# Altium PCB Dashcam BB V2.0 A.PcbDoc (part 1 of 2) (continued)
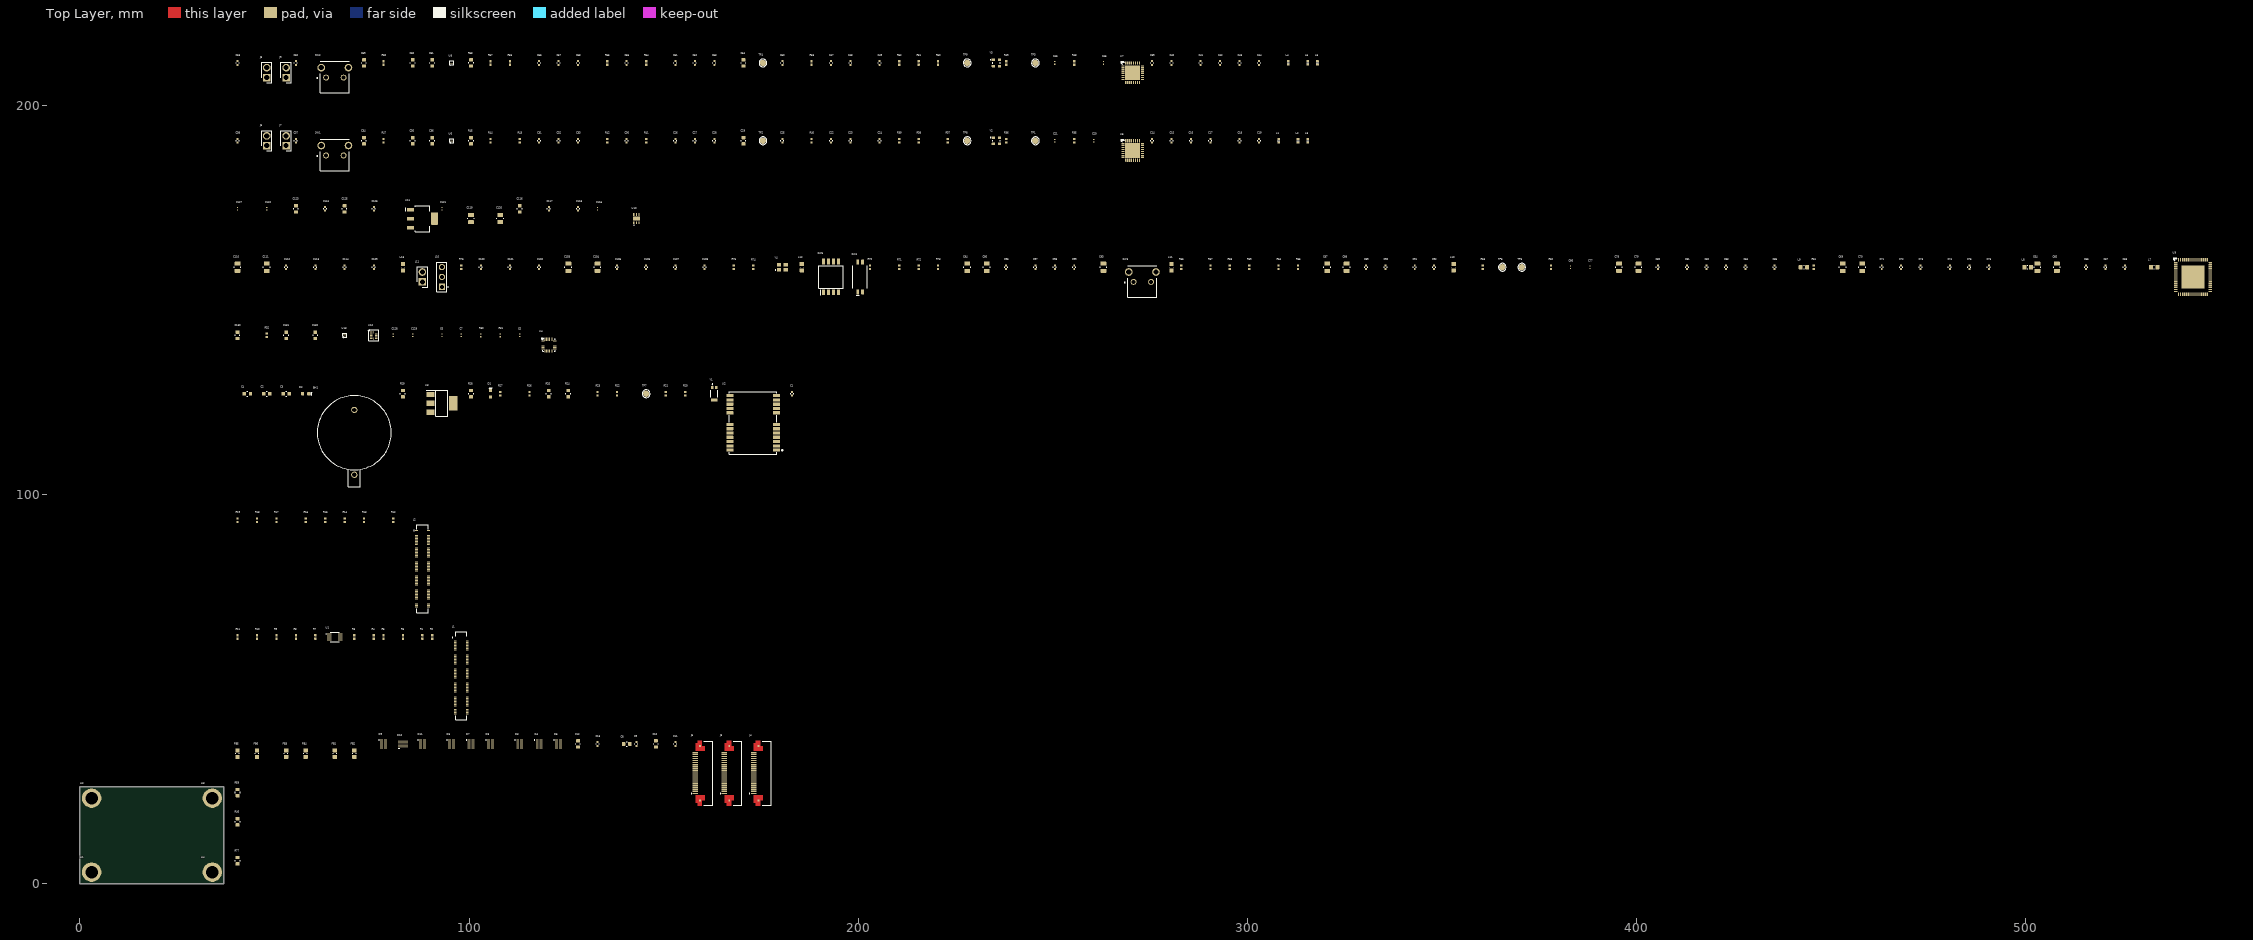
[diagram p0: Top Layer view]
## Components (designator, comment, footprint, x,y, rotation, side; value= is the part's Value field where it differs from the comment) (continued)
C81 "GRM155R71H104KE14D" CAP_0402_CAPC1005X05N 413,158.45 r90 top
C82 "GRM155R71H103KA88D" CAP_0402_CAPC1005X05N 418,158.45 r90 top
C83 "GRM155R71H103KA88D" CAP_0402_CAPC1005X05N 423,158.45 r90 top
C84 "GRM155R71H103KA88D" CAP_0402_CAPC1005X05N 428,158.45 r90 top
C85 "GRM155R71H103KA88D" CAP_0402_CAPC1005X05N 435.5,158.45 r90 top
C86 "GRM033R60J333KE01D" CAP_0201_CAPC0603X03N 383,158.45 r90 top
C87 "CL21A106KAYNNNE" CAP_0805_CAPC2012X12N 320.5,158.45 r90 top
C88 "CL21A106KAYNNNE" CAP_0805_CAPC2012X12N 325.5,158.45 r90 top
C89 "C1005JB1V105K050BC" CAP_0402_CAPC1005X05N 330.5,158.45 r90 top
C90 "GRM155R71H104KE14D" CAP_0402_CAPC1005X05N 335.5,158.45 r90 top
C91 "GRM155R71H103KA88D" CAP_0402_CAPC1005X05N 343,158.45 r90 top
C92 "GRM155R71H103KA88D" CAP_0402_CAPC1005X05N 348,158.45 r90 top
C93 "CL21A106KAYNNNE" CAP_0805_CAPC2012X12N 263,158.45 r90 top
C94 "CL21A106KAYNNNE" CAP_0805_CAPC2012X12N 228,158.45 r90 top
C95 "CL21A106KAYNNNE" CAP_0805_CAPC2012X12N 233,158.45 r90 top
C96 "C1005JB1V105K050BC" CAP_0402_CAPC1005X05N 238,158.45 r90 top
C97 "GRM155R71H104KE14D" CAP_0402_CAPC1005X05N 245.5,158.45 r90 top
C98 "GRM155R71H103KA88D" CAP_0402_CAPC1005X05N 250.5,158.45 r90 top
C99 "GRM155R71H103KA88D" CAP_0402_CAPC1005X05N 255.5,158.45 r90 top
C100 "GRM155R71H104KE14D" CAP_0402_CAPC1005X05N 103,158.45 r90 top
C101 "GRM155R71H103KA88D" CAP_0402_CAPC1005X05N 110.5,158.45 r90 top
C102 "GRM155R71H104KE14D" CAP_0402_CAPC1005X05N 118,158.45 r90 top
C103 "CL21A106KAYNNNE" CAP_0805_CAPC2012X12N 125.5,158.45 r90 top
C104 "CL21A106KAYNNNE" CAP_0805_CAPC2012X12N 133,158.45 r90 top
C105 "C1005JB1V105K050BC" CAP_0402_CAPC1005X05N 138,158.45 r90 top
C106 "GRM155R71H104KE14D" CAP_0402_CAPC1005X05N 145.5,158.45 r90 top
C107 "GRM155R71H103KA88D" CAP_0402_CAPC1005X05N 153,158.45 r90 top
C108 "GRM155R71H103KA88D" CAP_0402_CAPC1005X05N 160.5,158.45 r90 top
C109 "GRM155R71H104KE14D" CAP_0402_CAPC1005X05N 75.5,158.45 r90 top
C110 "CL21A106KAYNNNE" CAP_0805_CAPC2012X12N 40.5,158.45 r90 top
C111 "CL21A106KAYNNNE" CAP_0805_CAPC2012X12N 48,158.45 r90 top
C112 "C1005JB1V105K050BC" CAP_0402_CAPC1005X05N 53,158.45 r90 top
C113 "GRM155R71H104KE14D" CAP_0402_CAPC1005X05N 60.5,158.45 r90 top
C114 "GRM155R71H103KA88D" CAP_0402_CAPC1005X05N 68,158.45 r90 top
C115 "GRM033R60J333KE01D" CAP_0201_CAPC0603X03N 133,173.45 r90 top
C116 "CL10A226MO7JZNC" CAP_0603_CAPC1608X08N 113,173.45 r90 top
C117 "GRM155R71H104KE14D" CAP_0402_CAPC1005X05N 120.5,173.45 r90 top
C118 "GRM155R71H104KE14D" CAP_0402_CAPC1005X05N 128,173.45 r90 top
C119 "C2012X5R1A476M125AC" CAP_0805_CAPC2012X12N 100.5,170.95 r90 top
C120 "C2012X5R1A476M125AC" CAP_0805_CAPC2012X12N 108,170.95 r90 top
C121 "GRM033R60J153KE01D" CAP_0201_CAPC0603X03N 93,173.45 r90 top
C122 "GRM033R60J333KE01D" CAP_0201_CAPC0603X03N 48,173.45 r90 top
C123 "CL10A226MO7JZNC" CAP_0603_CAPC1608X08N 55.5,173.45 r90 top
C124 "GRM155R71H104KE14D" CAP_0402_CAPC1005X05N 63,173.45 r90 top
C125 "CL10A226MO7JZNC" CAP_0603_CAPC1608X08N 68,173.45 r90 top
C126 "GRM155R71H104KE14D" CAP_0402_CAPC1005X05N 75.5,173.45 r90 top
C127 "GRM033R60J153KE01D" CAP_0201_CAPC0603X03N 40.5,173.45 r90 top
C128 "02016D105MAT2A" CAP_0201_CAPC0603X03N 80.5,140.95 r90 top
C129 "02016D105MAT2A" CAP_0201_CAPC0603X03N 85.5,140.95 r90 top
C130 "CL10A105KO8NNNC" CAP_0603_CAPC1608X08N 40.5,140.95 r90 top
C131 "CL10A105KO8NNNC" CAP_0603_CAPC1608X08N 53,140.95 r90 top
C132 "GRM188R61C106MAALD" CAP_0603_CAPC1608X08N 60.5,140.95 r90 top
D1 "ASCKCB00-NS3T4010302" LED_0603-BLUE-0.75mm 105.5,125.95 r90 top
D2 "LTST-C190KRKT" LED_0603-RED-0.75mm 58,125.95 r0 top
D3 "IP4292CZ10-TBR,115" DIO_TVS_SON50P100X250X50-10N 113,35.95 r0 top
D4 "IP4292CZ10-TBR,115" DIO_TVS_SON50P100X250X50-10N 118,35.95 r0 top
D5 "IP4292CZ10-TBR,115" DIO_TVS_SON50P100X250X50-10N 123,35.95 r0 top
D6 "IP4292CZ10-TBR,115" DIO_TVS_SON50P100X250X50-10N 95.5,35.95 r0 top
D7 "IP4292CZ10-TBR,115" DIO_TVS_SON50P100X250X50-10N 100.5,35.95 r0 top
D8 "IP4292CZ10-TBR,115" DIO_TVS_SON50P100X250X50-10N 105.5,35.95 r0 top
D9 "IP4292CZ10-TBR,115" DIO_TVS_SON50P100X250X50-10N 78,35.95 r0 top
D10 "IP4292CZ10-TBR,115" DIO_TVS_SON50P100X250X50-10N 83,35.95 r90 top
D11 "IP4292CZ10-TBR,115" DIO_TVS_SON50P100X250X50-10N 88,35.95 r0 top
FB1 "BLM18AG102SN1D" IND_0603_INDC1608X08N 65.5,33.45 r90 top
FB2 "BLM18AG102SN1D" IND_0603_INDC1608X08N 70.5,33.45 r90 top
FB3 "BLM18AG102SN1D" IND_0603_INDC1608X08N 53,33.45 r90 top
FB4 "BLM18AG102SN1D" IND_0603_INDC1608X08N 58,33.45 r90 top
FB5 "BLM18AG102SN1D" IND_0603_INDC1608X08N 40.5,33.45 r90 top
FB6 "BLM18AG102SN1D" IND_0603_INDC1608X08N 45.5,33.45 r90 top
H1 "Mounting Hole" PTH_3.2X5 3,3 r0 top
H2 "Mounting Hole" PTH_3.2X5 3,22 r0 top
H3 "Mounting Hole" PTH_3.2X5 34,22 r0 top
H4 "Mounting Hole" PTH_3.2X5 34,3 r0 top
J1 "DF40C-100DS-0.4V(51)" CONN_B2B_HIROSE_DF40C-100DS-0.4V(51) 98,53.45 r90 top
J2 "DF40C-100DS-0.4V(51)" CONN_B2B_HIROSE_DF40C-100DS-0.4V(51) 88,80.95 r90 top
J3 "SFV22R-2STBE1HLF" CONN_FPC_AMPHENOL_SFV22R-2STBE1HLF 168,28.45 r90 top
J4 "SFV22R-2STBE1HLF" CONN_FPC_AMPHENOL_SFV22R-2STBE1HLF 175.5,28.45 r90 top
J5 "SFV22R-2STBE1HLF" CONN_FPC_AMPHENOL_SFV22R-2STBE1HLF 160.5,28.45 r90 top
J6 "61300211121" HEADER_MALE_HDRV2W110P0X254_1X2_508X254X854P 48,190.95 r90 top
J7 "61300211121" HEADER_MALE_HDRV2W110P0X254_1X2_508X254X854P 53,190.95 r90 top
J8 "61300211121" HEADER_MALE_HDRV2W110P0X254_1X2_508X254X854P 48,208.45 r90 top
J9 "61300211121" HEADER_MALE_HDRV2W110P0X254_1X2_508X254X854P 53,208.45 r90 top
J10 "TSW-103-07-G-S" CONN_HEADER_MALE_SAMTEC_TSW-103-07-G-S 93,155.95 r90 top
J11 "61300211121" HEADER_MALE_HDRV2W110P0X254_1X2_508X254X854P 88,155.95 r90 top
L1 "*BLM15AX102SN1D" IND_0402 308,190.95 r90 top
L2 "*BLM15AX102SN1D" IND_0402 313,190.95 r90 top
L3 "*BLM15AX102SN1D" IND_0402 315.5,190.95 r90 top
L4 "*BLM15AX102SN1D" IND_0402 310.5,210.95 r90 top
L5 "*BLM15AX102SN1D" IND_0402 315.5,210.95 r90 top
L6 "*BLM15AX102SN1D" IND_0402 318,210.95 r90 top
L7 "BLM18PG121SH1D" IND_0603_INDC1608X08N 533,158.45 r0 top
L8 "BLM18PG121SH1D" IND_0603_INDC1608X08N 500.5,158.45 r0 top
L9 "BLM18PG121SH1D" IND_0603_INDC1608X08N 443,158.45 r0 top
L10 "BLM18PG121SH1D" IND_0603_INDC1608X08N 353,158.45 r90 top
L11 "BLM18PG121SH1D" IND_0603_INDC1608X08N 280.5,158.45 r90 top
L12 "BLM18PG121SH1D" IND_0603_INDC1608X08N 185.5,158.45 r90 top
L13 "BLM18PG121SH1D" IND_0603_INDC1608X08N 83,158.45 r90 top
R1 "ERJ-2GEJ103X" RES_0402_RESC1005X04N 88,63.45 r90 top
R2 "ERJ-2GE0R00X" RES_0402_RESC1005X04N 90.5,63.45 r90 top
R3 "ERJ-2RKF4701X" RES_0402_RESC1005X04N 70.5,63.45 r90 top
R4 "ERJ-2RKF4701X" RES_0402_RESC1005X04N 75.5,63.45 r90 top
R5 "CRCW04021K21FKED" RES_0402_RESC1005X04N 78,63.45 r90 top
R6 "CRCW04021K21FKED" RES_0402_RESC1005X04N 83,63.45 r90 top
R7 "ERJ-2GE0R00X" RES_0402_RESC1005X04N 60.5,63.45 r90 top
R8 "ERJ-2GE0R00X" RES_0402_RESC1005X04N 55.5,63.45 r90 top
R9 "ERJ-2GE0R00X" RES_0402_RESC1005X04N 50.5,63.45 r90 top
R10 "ERJ-2GE0R00X" RES_0402_RESC1005X04N 45.5,63.45 r90 top
R11 "ERJ-2GE0R00X" RES_0402_RESC1005X04N 40.5,63.45 r90 top
R12 "ERJ-2GE0R00X" RES_0402_RESC1005X04N 80.5,93.45 r90 top
R13 "ERJ-2GE0R00X" RES_0402_RESC1005X04N 73,93.45 r90 top
R14 "ERJ-2GE0R00X" RES_0402_RESC1005X04N 68,93.45 r90 top
R15 "ERJ-2GE0R00X" RES_0402_RESC1005X04N 58,93.45 r90 top
R16 "ERJ-2GE0R00X" RES_0402_RESC1005X04N 63,93.45 r90 top
R17 "ERJ-2GE0R00X" RES_0402_RESC1005X04N 50.5,93.45 r90 top
R18 "ERJ-2GE0R00X" RES_0402_RESC1005X04N 45.5,93.45 r90 top
R19 "ERJ-2GE0R00X" RES_0402_RESC1005X04N 40.5,93.45 r90 top
R20 "RC0402FR-0733RL" RES_0402_RESC1005X04N 155.5,125.95 r90 top
R21 "RC0402FR-0733RL" RES_0402_RESC1005X04N 150.5,125.95 r90 top
R22 "RC0402FR-0733RL" RES_0402_RESC1005X04N 138,125.95 r90 top
R23 "RC0402FR-0733RL" RES_0402_RESC1005X04N 133,125.95 r90 top
R24 "RC0603JR-0727RL" RES_0603_RESC1608X04N 125.5,125.95 r90 top
R25 "RC0603JR-0727RL" RES_0603_RESC1608X04N 120.5,125.95 r90 top
R26 "RC0402FR-07100KL" RES_0402_RESC1005X04N 115.5,125.95 r90 top
R27 "ERJ-2RKF1001X" RES_0402_RESC1005X04N 108,125.95 r90 top
R28 "AC0603FR-101KL" RES_0603_RESC1608X04N 100.5,125.95 r90 top
R29 "AC0603FR-101KL" RES_0603_RESC1608X04N 83,125.95 r90 top
R30 "RC0201FR-0710KL" RES_0201_RESC0603X02N 103,140.95 r90 top
R31 "RC0201FR-0710KL" RES_0201_RESC0603X02N 108,140.95 r90 top
R32 "ERJ-2GEJ103X" RES_0402_RESC1005X04N 48,140.95 r90 top
R35 "CR0402-FX-49R9GLF" RES_0402_RESC1005X04N 255.5,190.95 r90 top
R36 "ERJ-2GE0R00X" RES_0402_RESC1005X04N 238,190.95 r90 top
R37 "ERJ-2GE0R00X" RES_0402_RESC1005X04N 223,190.95 r90 top
R38 "ERJ-2GE0R00X" RES_0402_RESC1005X04N 215.5,190.95 r90 top
R39 "ERJ-2GEJ103X" RES_0402_RESC1005X04N 210.5,190.95 r90 top
R40 "ERJ-2GE0R00X" RES_0402_RESC1005X04N 188,190.95 r90 top
R41 "ERJ-2GE0R00X" RES_0402_RESC1005X04N 145.5,190.95 r90 top
R42 "ERJ-2GE0R00X" RES_0402_RESC1005X04N 135.5,190.95 r90 top
R43 "ERJ-2GEJ103X" RES_0402_RESC1005X04N 113,190.95 r90 top
R44 "ERJ-2GEJ103X" RES_0402_RESC1005X04N 105.5,190.95 r90 top
R45 "CRCW0603402RFKEA" RES_0603_RESC1608X04N 100.5,190.95 r90 top
R46 "RC0603FR-0740K2L" RES_0603_RESC1608X04N 40.5,15.95 r90 top
R47 "ERJ-2GEJ103X" RES_0402_RESC1005X04N 78,190.95 r90 top
R48 "CR0402-FX-49R9GLF" RES_0402_RESC1005X04N 255.5,210.95 r90 top
R49 "ERJ-2GE0R00X" RES_0402_RESC1005X04N 238,210.95 r90 top
R50 "ERJ-2GE0R00X" RES_0402_RESC1005X04N 220.5,210.95 r90 top
R51 "ERJ-2GE0R00X" RES_0402_RESC1005X04N 215.5,210.95 r90 top
R52 "ERJ-2GEJ103X" RES_0402_RESC1005X04N 210.5,210.95 r90 top
R53 "ERJ-2GE0R00X" RES_0402_RESC1005X04N 188,210.95 r90 top
R54 "ERJ-2GE0R00X" RES_0402_RESC1005X04N 145.5,210.95 r90 top
R55 "ERJ-2GE0R00X" RES_0402_RESC1005X04N 135.5,210.95 r90 top
R56 "ERJ-2GEJ103X" RES_0402_RESC1005X04N 110.5,210.95 r90 top
R57 "ERJ-2GEJ103X" RES_0402_RESC1005X04N 105.5,210.95 r90 top
R58 "CRCW0603402RFKEA" RES_0603_RESC1608X04N 100.5,210.95 r90 top
R59 "RC0603FR-0740K2L" RES_0603_RESC1608X04N 40.5,23.45 r90 top
R60 "ERJ-2GEJ103X" RES_0402_RESC1005X04N 78,210.95 r90 top
R61 "ERJ-2GE0R00X" RES_0402_RESC1005X04N 445.5,158.45 r90 top
R62 "ERJ-2RKF1000X" RES_0402_RESC1005X04N 378,158.45 r90 top
R63 "ERJ-2GE0R00X" RES_0402_RESC1005X04N 360.5,158.45 r90 top
R64 "ERJ-2GEJ103X" RES_0402_RESC1005X04N 308,158.45 r90 top
R65 "ERJ-2GEJ103X" RES_0402_RESC1005X04N 313,158.45 r90 top
R66 "CRCW040278K7FKED" RES_0402_RESC1005X04N 283,158.45 r90 top
R67 "CRCW040239K2FKED" RES_0402_RESC1005X04N 290.5,158.45 r90 top
R68 "CRCW040225K5FKED" RES_0402_RESC1005X04N 295.5,158.45 r90 top
R69 "ERJ-2GEJ103X" RES_0402_RESC1005X04N 300.5,158.45 r90 top
R70 "CRCW040297K6FKED" RES_0402_RESC1005X04N 203,158.45 r90 top
R71 "CRCW040278K7FKED" RES_0402_RESC1005X04N 210.5,158.45 r90 top
R72 "CRCW040295K3FKED" RES_0402_RESC1005X04N 215.5,158.45 r90 top
R73 "ERJ-2GE0R00X" RES_0402_RESC1005X04N 220.5,158.45 r90 top
R74 "ERJ-2GE0R00X" RES_0402_RESC1005X04N 173,158.45 r90 top
R75 "ERJ-2GEJ103X" RES_0402_RESC1005X04N 168,158.45 r90 top
R76 "ERJ-2GE0R00X" RES_0402_RESC1005X04N 98,158.45 r90 top
R77 "RC0603FR-0740K2L" RES_0603_RESC1608X04N 40.5,5.95 r90 top
SW1 "PTS645VH83-2LFS" SW_RA_PTS645VH832LFS 65.5,188.45 r0 top
SW2 "PTS645VH83-2LFS" SW_RA_PTS645VH832LFS 65.5,208.45 r0 top
SW3 "PTS645VH83-2LFS" SW_RA_PTS645VH832LFS 273,155.95 r0 top
SW4 "218-2LPSTR" SW_DIP_2P_2182LPSTR 200.5,155.95 r0 top
SW5 "218-4LPSTR" SW_DIP_SOIC127P844X265-8N 193,155.95 r90 top
TP1 "NO COMPONENT" TP_PAD_1.6MM_SMD_ROUND 245.5,190.95 r90 top
TP2 "NO COMPONENT" TP_PAD_1.6MM_SMD_ROUND 175.5,190.95 r90 top
TP3 "NO COMPONENT" TP_PAD_1.6MM_SMD_ROUND 245.5,210.95 r90 top
TP4 "NO COMPONENT" TP_PAD_1.6MM_SMD_ROUND 175.5,210.95 r90 top
TP5 "NO COMPONENT" TP_PAD_1.6MM_SMD_ROUND 365.5,158.45 r90 top
TP6 "NO COMPONENT" TP_PAD_1.6MM_SMD_ROUND 370.5,158.45 r90 top
TP7 "NO COMPONENT" TP_PAD_1.6MM_SMD_ROUND 145.5,125.95 r90 top
TP8 "NO COMPONENT" TP_PAD_1.6MM_SMD_ROUND 228,190.95 r90 top
TP9 "NO COMPONENT" TP_PAD_1.6MM_SMD_ROUND 228,210.95 r90 top
U1 "TCA9406DCUR" IC_LEVEL_TRASLATOR_SOP50P310X90-8N 65.5,63.45 r0 top
U2 "NEO-M9N-00B" IC_MODULE_UBLOX_NEOM9N00B 173,118.45 r0 top
U3 "AP2114H-3.3TRG1" IC_REG_SOT230P700X180-4N 93,123.45 r0 top
U4 "ICM-20948" IC_IMU_TDK_InvenSense_0_IPC_A 120.5,138.45 r0 top
U5 "DS90UB953ATRHBTQ1" IC_SERIALIZER_QFN50P500X500X100-33N-D 270.5,188.45 r0 top
U6 "LP5907UVX-1.8/NOPB" IC_REG_LDO_BGA4C35P2X2_71X71X40 95.5,190.95 r90 top
U7 "DS90UB953ATRHBTQ1" IC_SERIALIZER_QFN50P500X500X100-33N-D 270.5,208.45 r0 top
U8 "LP5907UVX-1.8/NOPB" IC_REG_LDO_BGA4C35P2X2_71X71X40 95.5,210.95 r90 top
U9 "DS90UB960WRTDRQ1" IC_DESERIALIZER_QFN50P900X900X90-65N-D 543,155.95 r0 top
U10 "TPS74611PQWDRVRQ1" IC_REG_LDO_1.1V_SON65P200X200X80-7N 143,170.95 r90 top
U11 "AZ1117CH-1.8TRG1" SOT230P700X180-4N 88,170.95 r0 top
U12 "NTS0104GU12,115" IC_LEVEL_TRASLATOR_XQFN12_0P4_1P8X2P1 75.5,140.95 r0 top
U13 "LP5907UVX-1.8/NOPB" IC_REG_LDO_BGA4C35P2X2_71X71X40 68,140.95 r90 top
Y1 "W3011" ANTENNA_CHIP_XDCR_W3011 163,125.95 r0 top
Y2 "ASDMB-50.000MHZ-LC-T" XTAL_ASDMB-50.000MHZ-LC-T 235.5,190.95 r0 top
Y3 "ASDMB-50.000MHZ-LC-T" XTAL_ASDMB-50.000MHZ-LC-T 235.5,210.95 r0 top
Y4 "SG-210STF 25.0000ML3" CRYSTAL_25MHz_SG210STF250000ML3 180.5,158.45 r0 top

## Footprints (in the part's own frame and the unit in brackets; to place one, negate y for a bottom-side part, rotate by r counter-clockwise, add the part's x,y. Pads: shape width x height; smd on the part's side, far side on the other; paste and mask are expansions set on the pad)
ANTENNA_CHIP_XDCR_W3011 [mm]
  rrect20% 0.65x0.8 smd: 1(-0.475,1.6) 2(0.475,1.6)
  rrect20% 1.6x0.8 smd: 3(0,-1.6)
  silkscreen extent -0.9,-0.89 0.9,2.51
CAP_0201_CAPC0603X03N [mm] "Chip Capacitor, 2-Leads, Body 0.60x0.30mm, IPC Medium Density"
  rrect20% 0.305x0.305 smd mask+0.076: 1(-0.33,0) 2(0.33,0)
  body extent -0.3,-0.15 0.3,0.15, height 0.3
CAP_0402_CAPC1005X05N [mil] "Chip Capacitor, 2-Leads, Body 1.00x0.50mm, IPC Medium Density"
  rrect20% 20x20 smd: 1(-18.9,0) 2(18.9,0)
  silkscreen extent -4,-15 4,15, body extent -20,-10 20,10, height 20
CAP_0603_CAPC1608X08N [mm] "Chip Capacitor, 2-Leads, Body 1.60x0.80mm, IPC Medium Density"
  rrect20% 0.85x0.95 smd: 1(-0.8,0) 2(0.8,0)
  silkscreen extent -0.1,-0.61 0.1,0.61, body extent -0.8,-0.4 0.8,0.4, height 0.3
CAP_0805_CAPC2012X12N [mm] "Chip Capacitor, 2-Leads, Body 2.00x1.25mm, IPC Medium Density"
  rrect20% 1x1.5 smd: 1(-0.925,0) 2(0.925,0)
  silkscreen extent -0.08,-0.86 0.08,0.86, body extent -1,-0.63 1,0.63, height 0.78
CONN_B2B_HIROSE_DF40C-100DS-0.4V(51) [mm] "0.016\" (0.40mm)"
  rrect20% 0.2x0.7 smd paste-1: 1(9.8,1.54) 2(9.8,-1.54) 3(9.4,1.54) 4(9.4,-1.54) 5(9,1.54) 6(9,-1.54) 7(8.6,1.54) 8(8.6,-1.54) 9(8.2,1.54) 10(8.2,-1.54) 11(7.8,1.54) 12(7.8,-1.54) 13(7.4,1.54) 14(7.4,-1.54) 15(7,1.54) 16(7,-1.54) 17(6.6,1.54) 18(6.6,-1.54) 19(6.2,1.54) 20(6.2,-1.54) 21(5.8,1.54) 22(5.8,-1.54) 23(5.4,1.54) 24(5.4,-1.54) 25(5,1.54) 26(5,-1.54) 27(4.6,1.54) 28(4.6,-1.54) 29(4.2,1.54) 30(4.2,-1.54) 31(3.8,1.54) 32(3.8,-1.54) 33(3.4,1.54) 34(3.4,-1.54) 35(3,1.54) 36(3,-1.54) 37(2.6,1.54) 38(2.6,-1.54) 39(2.2,1.54) 40(2.2,-1.54) 41(1.8,1.54) 42(1.8,-1.54) 43(1.4,1.54) 44(1.4,-1.54) 45(1,1.54) 46(1,-1.54) 47(0.6,1.54) 48(0.6,-1.54) 49(0.2,1.54) 50(0.2,-1.54) 51(-0.2,1.54) 52(-0.2,-1.54) 53(-0.6,1.54) 54(-0.6,-1.54) 55(-1,1.54) 56(-1,-1.54) 57(-1.4,1.54) 58(-1.4,-1.54) 59(-1.8,1.54) 60(-1.8,-1.54) 61(-2.2,1.54) 62(-2.2,-1.54) 63(-2.6,1.54) 64(-2.6,-1.54) 65(-3,1.54) 66(-3,-1.54) 67(-3.4,1.54) 68(-3.4,-1.54) 69(-3.8,1.54) 70(-3.8,-1.54) 71(-4.2,1.54) 72(-4.2,-1.54) 73(-4.6,1.54) 74(-4.6,-1.54) 75(-5,1.54) 76(-5,-1.54) 77(-5.4,1.54) 78(-5.4,-1.54) 79(-5.8,1.54) 80(-5.8,-1.54) 81(-6.2,1.54) 82(-6.2,-1.54) 83(-6.6,1.54) 84(-6.6,-1.54) 85(-7,1.54) 86(-7,-1.54) 87(-7.4,1.54) 88(-7.4,-1.54) 89(-7.8,1.54) 90(-7.8,-1.54) 91(-8.2,1.54) 92(-8.2,-1.54) 93(-8.6,1.54) 94(-8.6,-1.54) 95(-9,1.54) 96(-9,-1.54) 97(-9.4,1.54) 98(-9.4,-1.54) 99(-9.8,1.54) 100(-9.8,-1.54)
  silkscreen extent -11.3,-1.44 11.3,2.16, body extent -11.3,-1.69 11.3,1.69, height 1.6
CONN_FPC_AMPHENOL_SFV22R-2STBE1HLF [mm] "Pitch 0.5mm"
  rrect20% 0.3x1.4 smd mask+0.05: 1(-5.25,2.4) 2(-4.75,2.4) 3(-4.25,2.4) 4(-3.75,2.4) 5(-3.25,2.4) 6(-2.75,2.4) 7(-2.25,2.4) 8(-1.75,2.4) 9(-1.25,2.4) 10(-0.75,2.4) 11(-0.25,2.4) 12(0.25,2.4) 13(0.75,2.4) 14(1.25,2.4) 15(1.75,2.4) 16(2.25,2.4) 17(2.75,2.4) 18(3.25,2.4) 19(3.75,2.4) 20(4.25,2.4) 21(4.75,2.4) 22(5.25,2.4)
  rect 0.5x0.5 smd paste-1 mask+0: SH1(-7.025,1.15) SH2(7.025,1.15)
  Top Layer region: -5.7,0 -6.95,0 -6.95,0.7 -8.35,0.7 -8.35,1.8 -7.65,1.8 -7.65,2.3 -5.7,2.3
  Top Layer region: 7.65,1.8 8.35,1.8 8.35,0.7 6.95,0.7 6.95,0 5.7,0 5.7,2.3 7.65,2.3
  silkscreen extent -8.25,-2.1 8.25,3.35, body extent -8.25,-2.1 8.25,2.8, height 1.88
CONN_HEADER_MALE_SAMTEC_TSW-103-07-G-S [mm]
  rect 1.6x1.6 hole 1.02: 1(-2.54,0)
  round 1.6 hole 1.02: 2(0,0) 3(2.54,0)
  silkscreen extent -3.81,-1.68 3.81,1.27, body extent -3.81,-1.27 3.94,1.27, height 8.39
CRYSTAL_25MHz_SG210STF250000ML3 [mm]
  rrect20% 1.1x0.9 smd: 1(-0.85,-0.65) 2(0.85,-0.65) 3(0.85,0.65) 4(-0.85,0.65)
  silkscreen extent -1.8,-0.76 -1.7,-0.66, body extent -1.31,-1.01 1.31,1.01, height 1
DIO_TVS_SON50P100X250X50-10N [mm] "10-XFDFN"
  rrect20% 0.75x0.25 smd: 1(-0.5,1) 2(-0.5,0.5) 3(-0.5,0) 4(-0.5,-0.5) 5(-0.5,-1) 6(0.5,-1) 7(0.5,-0.5) 8(0.5,0) 9(0.5,0.5) 10(0.5,1)
  silkscreen extent -1.12,0.81 -1.12,1.22, body extent -0.55,-1.25 0.55,1.25, height 0.5
HEADER_MALE_HDRV2W110P0X254_1X2_508X254X854P [mm]
  rect 1.95x1.95 hole 1.3: 1(-1.27,0)
  round 1.95 hole 1.3: 2(1.27,0)
  silkscreen extent -2.62,-1.35 2.62,1.35, body extent -2.54,-1.27 2.54,1.27, height 8.54
IC_DESERIALIZER_QFN50P900X900X90-65N-D [mm]
  rrect20% 0.85x0.3 smd: 1(-4.45,3.75) 2(-4.45,3.25) 3(-4.45,2.75) 4(-4.45,2.25) 5(-4.45,1.75) 6(-4.45,1.25) 7(-4.45,0.75) 8(-4.45,0.25) 9(-4.45,-0.25) 10(-4.45,-0.75) 11(-4.45,-1.25) 12(-4.45,-1.75) 13(-4.45,-2.25) 14(-4.45,-2.75) 15(-4.45,-3.25) 16(-4.45,-3.75) 33(4.45,-3.75) 34(4.45,-3.25) 35(4.45,-2.75) 36(4.45,-2.25) 37(4.45,-1.75) 38(4.45,-1.25) 39(4.45,-0.75) 40(4.45,-0.25) 41(4.45,0.25) 42(4.45,0.75) 43(4.45,1.25) 44(4.45,1.75) 45(4.45,2.25) 46(4.45,2.75) 47(4.45,3.25) 48(4.45,3.75)
  rrect20% 0.3x0.85 smd: 17(-3.75,-4.45) 18(-3.25,-4.45) 19(-2.75,-4.45) 20(-2.25,-4.45) 21(-1.75,-4.45) 22(-1.25,-4.45) 23(-0.75,-4.45) 24(-0.25,-4.45) 25(0.25,-4.45) 26(0.75,-4.45) 27(1.25,-4.45) 28(1.75,-4.45) 29(2.25,-4.45) 30(2.75,-4.45) 31(3.25,-4.45) 32(3.75,-4.45) 49(3.75,4.45) 50(3.25,4.45) 51(2.75,4.45) 52(2.25,4.45) 53(1.75,4.45) 54(1.25,4.45) 55(0.75,4.45) 56(0.25,4.45) 57(-0.25,4.45) 58(-0.75,4.45) 59(-1.25,4.45) 60(-1.75,4.45) 61(-2.25,4.45) 62(-2.75,4.45) 63(-3.25,4.45) 64(-3.75,4.45)
  rect 5.85x5.85 smd: 65(0,0)
  silkscreen extent -4.9,4.14 -4.14,4.9, body extent -4.5,-4.5 4.5,4.5, height 0.85
IC_IMU_TDK_InvenSense_0_IPC_A [mm] "QFN 3.0x3.0x0.9"
  rrect20% 0.861x0.192 smd: 1(-1.526,1) 2(-1.526,0.6) 3(-1.526,0.2) 4(-1.526,-0.2) 5(-1.526,-0.6) 6(-1.526,-1) 13(1.526,-1) 14(1.526,-0.6) 15(1.526,-0.2) 16(1.526,0.2) 17(1.526,0.6) 18(1.526,1)
  rrect20% 0.192x0.861 smd: 7(-1,-1.526) 8(-0.6,-1.526) 9(-0.2,-1.526) 10(0.2,-1.526) 11(0.6,-1.526) 12(1,-1.526) 19(1,1.526) 20(0.6,1.526) 21(0.2,1.526) 22(-0.2,1.526) 23(-0.6,1.526) 24(-1,1.526)
  silkscreen extent -1.85,-1.63 1.63,1.85, body extent -2.46,-2.46 2.46,2.46, height 0.25
IC_LEVEL_TRASLATOR_SOP50P310X90-8N [mm]
  rrect20% 1.12x0.27 smd: 1(-1.405,0.75) 2(-1.405,0.25) 3(-1.405,-0.25) 4(-1.405,-0.75) 5(1.405,-0.75) 6(1.405,-0.25) 7(1.405,0.25) 8(1.405,0.75)
  silkscreen extent -2.25,-1.2 1.15,1.2, body extent -1.55,-1 1.55,1, height 0.9
IC_LEVEL_TRASLATOR_XQFN12_0P4_1P8X2P1 [mil] "XQFN12_0P4_1P8X2P1"
  rrect20% 26x12 smd: 1(-26.57,32.97)
  rrect20% 26x8 smd: 2(-26.57,15.26) 3(-26.57,-0.49) 4(-26.57,-16.24) 5(-26.57,-31.99) 7(26.57,-31.99) 8(26.57,-16.24) 9(26.57,-0.49) 10(26.57,15.26) 11(26.57,31.01)
  rrect20% 8x26 smd: 6(0,-32.97) 12(0,31.99)
  silkscreen extent -54,-56 49,59, body extent -36,-41 36,41, height 20
IC_MODULE_UBLOX_NEOM9N00B [mm]
  rrect20% 1.8x0.8 smd: 1(6,-7) 2(6,-5.9) 3(6,-4.8) 4(6,-3.7) 5(6,-2.6) 6(6,-1.5) 7(6,-0.4) 8(6,2.6) 9(6,3.7) 10(6,4.8) 11(6,5.9) 12(6,7) 13(-6,7) 14(-6,5.9) 15(-6,4.8) 16(-6,3.7) 17(-6,2.6) 18(-6,-0.4) 19(-6,-1.5) 20(-6,-2.6) 21(-6,-3.7) 22(-6,-4.8) 23(-6,-5.9) 24(-6,-7)
  silkscreen extent -6.1,-8 7.5,8, body extent -6.1,-8 6.1,8, height 2.6
IC_REG_LDO_1.1V_SON65P200X200X80-7N [mm]
  rrect20% 0.7x0.35 smd: 1(-1.05,0.65) 2(-1.05,0) 3(-1.05,-0.65) 4(1.05,-0.65) 5(1.05,0) 6(1.05,0.65)
  rect 1x1.7 smd: 7(0,0)
  silkscreen extent -1.75,0.61 -1.65,0.71, body extent -1,-1 1,1, height 0.77
IC_REG_LDO_BGA4C35P2X2_71X71X40 [mm] "4-DSBGA"
  round 0.2 smd: A1(-0.175,0.175) A2(0.175,0.175) B1(-0.175,-0.175) B2(0.175,-0.175)
  silkscreen extent -0.66,-0.53 0.53,0.64, body extent -0.36,-0.36 0.36,0.36, height 0.4
IC_REG_SOT230P700X180-4N [mm] "SOT223, 4-Leads, Body 6.50x7.00mm (avg), Pitch 2.30mm, IPC Medium Density"
  rrect20% 2.15x1.4 smd: 1(-2.925,2.3) 2(-2.925,0) 3(-2.925,-2.3)
  rect 2.15x3.7 smd: 4(2.925,0)
  silkscreen extent -4.01,-3.35 1.55,3.35, body extent -3.5,-3.2 3.5,3.3, height 1.65
IC_SERIALIZER_QFN50P500X500X100-33N-D [mm]
  rrect20% 0.8x0.3 smd: 1(-2.5,1.75) 2(-2.5,1.25) 3(-2.5,0.75) 4(-2.5,0.25) 5(-2.5,-0.25) 6(-2.5,-0.75) 7(-2.5,-1.25) 8(-2.5,-1.75) 17(2.5,-1.75) 18(2.5,-1.25) 19(2.5,-0.75) 20(2.5,-0.25) 21(2.5,0.25) 22(2.5,0.75) 23(2.5,1.25) 24(2.5,1.75)
  rrect20% 0.3x0.8 smd: 9(-1.75,-2.5) 10(-1.25,-2.5) 11(-0.75,-2.5) 12(-0.25,-2.5) 13(0.25,-2.5) 14(0.75,-2.5) 15(1.25,-2.5) 16(1.75,-2.5) 25(1.75,2.5) 26(1.25,2.5) 27(0.75,2.5) 28(0.25,2.5) 29(-0.25,2.5) 30(-0.75,2.5) 31(-1.25,2.5) 32(-1.75,2.5)
  rect 3.8x3.8 smd: 33(0,0)
  silkscreen extent -2.9,2.18 -2.16,2.9, body extent -2.5,-2.5 2.5,2.5, height 1
IND_0402 [mm] "0.039\" L x 0.024\" W (1.00mm x 0.60mm)"
  rrect20% 0.5x0.66 smd: 1(-0.45,0) 2(0.45,0)
  silkscreen extent 0,-0.3 0,0.3, body extent -0.5,-0.25 0.5,0.25, height 0.6
IND_0603_INDC1608X08N [mm] "Chip Inductor, 2-Leads, Body 1.60x0.80mm, IPC Medium Density"
  rrect20% 1x1.1 smd: 1(-0.83,0) 2(0.83,0)
  silkscreen extent -0.05,-0.45 0.05,0.45, body extent -0.8,-0.4 0.8,0.4, height 1.01
LED_0603-BLUE-0.75mm [mm] "LED 0603 BLUE height = 0.75mm"
  rrect25% 0.8x0.8 smd: 1(0.8,0) 2(-0.8,0)
  silkscreen extent 1.4,-0.38 1.52,0.38, body extent -0.8,-0.4 0.81,0.4, height 0.75
LED_0603-RED-0.75mm [mm] "LED 0603 RED height = 0.75mm"
  rrect25% 0.8x0.8 smd: 1(0.8,0) 2(-0.8,0)
  silkscreen extent 1.4,-0.38 1.52,0.38, body extent -0.8,-0.4 0.81,0.4, height 0.8
MECH_BATTERY_HOLDER_BH600 [mm]
  round 1.6 hole 1.067: 1(0,8.33) 2(0,-8.33)
  silkscreen extent -9.53,-11.37 9.53,12
PTH_3.2X5 [mm] "PTH 3.2mm drill 5mm ring"
  round 5 hole 3.2 paste-2539.97: 1(0,0)
RES_0201_RESC0603X02N [mm] "Chip Resistor, 2-Leads, Body 0.60x0.30mm, IPC Medium Density"
  rrect20% 0.35x0.35 smd: 1(-0.35,0) 2(0.35,0)
  body extent -0.3,-0.15 0.3,0.15, height 0.24
RES_0402_RESC1005X04N [mm] "Chip Resistor, 2-Leads, Body 1.02x0.53mm, IPC Medium Density"
  rrect20% 0.6x0.6 smd: 1(-0.45,0) 2(0.45,0)
  body extent -0.5,-0.25 0.5,0.25, height 0.36
RES_0603_RESC1608X04N [mm] "Chip Resistor, 2-Leads, Body 1.60x0.80mm, IPC Medium Density"
  rrect20% 0.85x0.95 smd: 1(-0.8,0) 2(0.8,0)
  silkscreen extent -0.13,-0.64 0.17,0.64, body extent -0.8,-0.4 0.8,0.4, height 0.46
SOT230P700X180-4N [mm]
  rrect20% 1.86x0.9 smd: 1(-3.075,2.3) 2(-3.075,0) 3(-3.075,-2.3)
  rrect20% 1.86x3.19 smd: 4(3.075,0)
  silkscreen extent -4.29,-3.35 1.85,3.35, body extent -3.61,-3.25 3.39,3.25, height 1.66
SW_DIP_2P_2182LPSTR [mm] "0.050\" (1.27mm), Half"
  rrect20% 0.76x1.27 smd: 1(-0.635,-3.81) 2(0.635,-3.81) 3(0.635,3.81) 4(-0.635,3.81)
  silkscreen extent -1.86,-4.67 1.86,2.9, body extent -1.86,-4.27 1.85,4.17, height 2.5
SW_DIP_SOIC127P844X265-8N [mm] "0.050\" (1.27mm), Half"
  rrect20% 1.45x0.75 smd: 1(-3.975,1.905) 2(-3.975,0.635) 3(-3.975,-0.635) 4(-3.975,-1.905) 5(3.975,-1.905) 6(3.975,-0.635) 7(3.975,0.635) 8(3.975,1.905)
  silkscreen extent -4.7,-3.13 2.9,3.13, body extent -4.22,-3.13 4.22,3.13, height 2.6
SW_RA_PTS645VH832LFS [mm]
  round 1.5 hole 1: 1(-2.25,-1.275) 2(2.25,-1.275)
  round 1.95 hole 1.3: MH1(-3.5,1.275) MH2(3.5,1.275)
  silkscreen extent -4.62,-5.17 3.75,2.93, body extent -4.25,-9.5 4.25,3, height 7.73
TP_PAD_1.6MM_SMD_ROUND [mm] "Test Point, round, 1.6mm diameter, smd pad"
  round 1.6 smd paste-1.524: 1(0,0)
  silkscreen extent -1,-1 1,1
XTAL_ASDMB-50.000MHZ-LC-T [mm]
  rrect20% 0.85x0.65 smd: 1(-0.775,0.825) 2(-0.775,-0.825) 3(0.775,-0.825) 4(0.775,0.825)
  silkscreen extent -1.6,-0.15 1,0.87, body extent -1,-1.25 1,1.25, height 0.91